# KiCad board gear85_hotswap_flex_cut.kicad_pcb (continued)
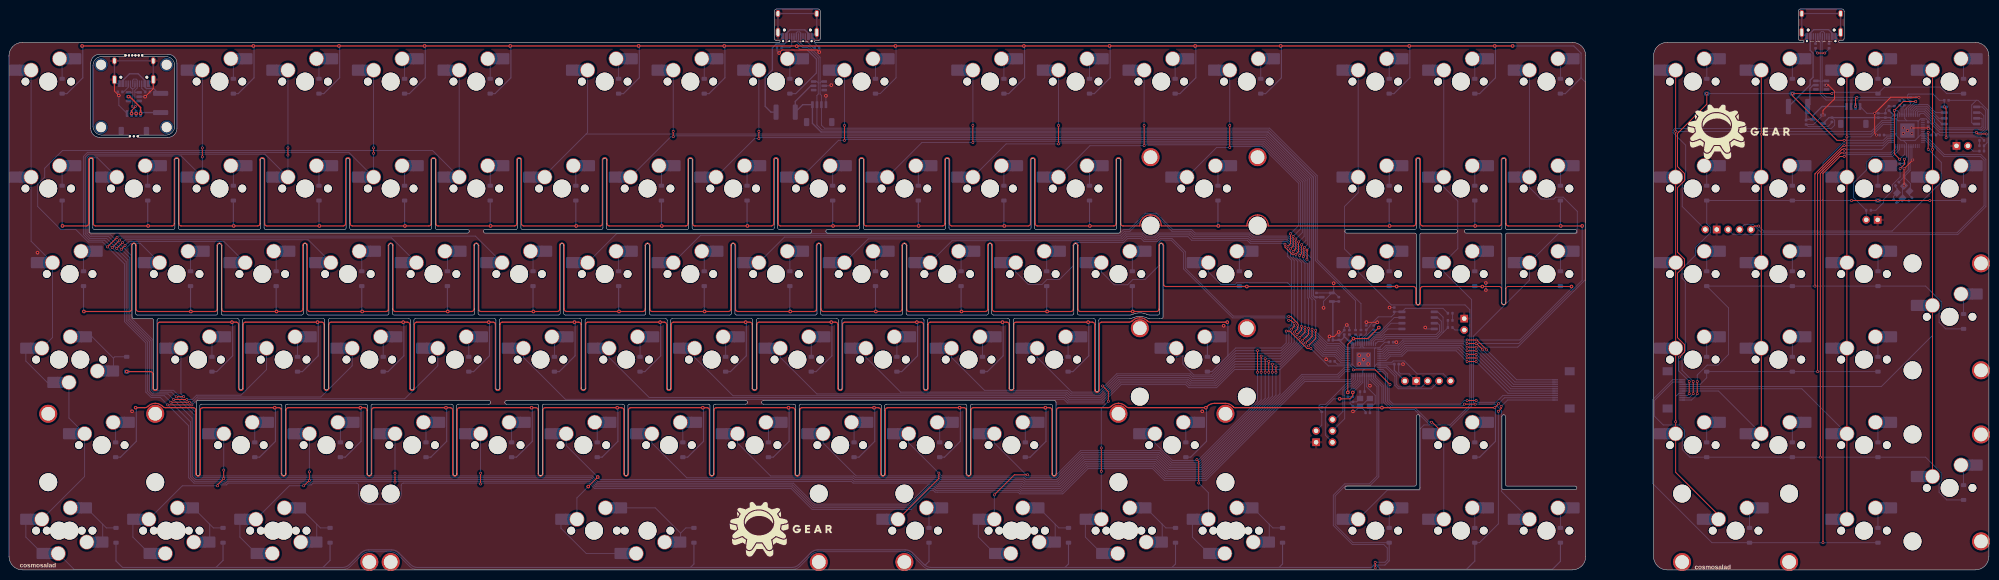
[diagram p0: board, top side]
## Routing (per net, layer and track width the routed paths; a pad name or vN(x,y) marks a point on that pad's centre or on a via; arc(x,y) is an arc through that point) (continued)
COL11: length 426.5
  Top w0.2: v2(278.61,47.62) 278.61,47.61 v2(278.61,44.02) ; v2(286.02,52.98) 286.74,53.7 v2(286.74,54.52) 286.74,54.92 285.25,56.41 v2(284.75,56.41) ; v2(233.52,98.97) v2(233.52,94.87) ; v2(219.23,16.71) 223.7,21.17 v2(226.62,21.17) ; v2(286.33,73.69) 286.32,73.68 286.32,71.5 v2(285.73,70.9)
  Bottom w0.2: v2(285.73,70.9) 285.73,69.72 286.74,68.7 286.74,54.24 292.57,48.4 295.25,48.4 296.62,47.03 U1.36 ; MX93.1 219.23,16.55 219.07,16.71 ; v2(233.52,98.97) MX11.1 ; MX45.1 224,66.38 226.84,63.54 229.83,63.54 230.95,64.66 233.72,64.66 236.83,67.77 236.83,72.53 237.22,72.91 247.98,72.91 248.88,73.81 251.86,73.81 252.53,73.13 255.47,73.13 256.14,73.81 258.77,73.81 261.73,70.85 261.73,67.19 272.41,56.52 284.65,56.52 v2(284.75,56.41) ; MX75.1 219.23,28.28 226.34,21.17 v2(226.62,21.17) 226.86,20.93 232.81,20.93 238.44,26.56 256.11,26.56 258.71,23.95 264.69,23.95 278.61,37.88 v2(278.61,44.02) ; v2(286.33,73.69) 287.78,75.14 287.78,86.42 279.13,95.07 233.72,95.07 v2(233.52,94.87) 221.87,94.87 MX28.1 ; MX83.2 215.68,7.3 MX93.1 ; v2(286.02,52.98) 285.98,52.94 285.98,50.64 282.96,47.62 272.89,47.62 267.87,42.6 263.31,42.6 262.65,43.26 246.63,43.26 242.55,39.19 236.33,39.19 235.54,39.98 217.05,39.98 209.71,47.33 MX62.1
COL12: length 300.3
  Top w0.2: v2(252.57,94.47) v2(252.57,98.97) ; v2(285.13,71.5) 285.72,72.1 285.72,74.28 v2(285.73,74.29) ; v2(243.05,21.96) v2(243.05,27.16) ; v2(244.61,37.57) 244.61,39.69 v2(243.34,40.96) ; v2(285.39,53.61) 285.95,54.18 v2(285.95,54.86) 285.25,55.56 v2(284.75,55.56)
  Bottom w0.2: U1.35 296.45,46.63 295.08,48 292.41,48 285.95,54.46 285.95,68.92 285.13,69.75 v2(285.13,71.5) ; MX29.1 240.52,94.47 v2(252.57,94.47) 252.77,94.67 278.96,94.67 287.38,86.25 287.38,75.93 v2(285.73,74.29) ; MX94.1 239.5,7.3 MX84.2 ; MX63.1 228.76,47.33 236.5,39.59 242.39,39.59 243.28,40.48 243.28,40.9 v2(243.34,40.96) 243.76,40.96 246.46,43.66 262.82,43.66 263.47,43 267.71,43 272.92,48.22 283,48.22 285.39,50.6 v2(285.39,53.61) ; v2(284.75,55.56) 284.2,56.12 272.25,56.12 261.33,67.03 261.33,70.68 258.61,73.41 256.31,73.41 255.88,72.98 255.88,67.77 252.77,64.66 250.06,64.66 248.9,63.5 245.92,63.5 243.05,66.38 MX46.1 ; MX12.1 v2(252.57,98.97) ; v2(243.05,27.16) 243.05,36 v2(244.61,37.57) ; MX94.1 v2(243.05,21.96)
COL13: length 223.4
  Top w0.2: v2(264.32,24.55) 264.72,24.15 v2(264.72,19.35) ; v2(285.14,74.85) 285.13,74.85 285.13,72.64 v2(284.56,72.06) ; v2(277.81,44.02) v2(277.81,48.82) ; v2(271.62,94.07) v2(271.62,98.97)
  Bottom w0.2: 285.35,63.1 285.35,68.96 284.53,69.78 284.53,72.03 v2(284.56,72.06) ; 285.35,63.1 285.35,54.49 ; 285.35,63.1 284.51,63.95 273.17,63.95 272.76,63.54 269.7,63.54 266.86,66.38 MX47.1 ; v2(271.62,98.97) MX13.1 ; MX95.1 263.31,7.3 MX85.2 ; v2(285.14,74.85) 286.98,76.7 286.98,86.09 278.8,94.27 271.82,94.27 v2(271.62,94.07) 268.69,94.07 MX30.1 ; v2(264.72,19.35) 266.86,17.21 MX95.1 ; MX76.1 254.95,28.28 258.88,24.35 264.12,24.35 v2(264.32,24.55) 264.72,24.55 277.81,37.64 v2(277.81,44.02) ; 285.35,54.49 284.79,53.92 284.79,50.57 283.03,48.82 272.96,48.82 267.54,43.4 263.64,43.4 261.18,45.86 261.18,47.63 260.01,47.63 259.71,47.33 MX64.1 ; 285.35,54.49 292.24,47.6 294.92,47.6 296.29,46.23 U1.34
COL14: length 159.5
  Bottom w0.2: MX14.1 MX31.1 300.2,83.98 297.16,80.94 297.16,71.46 MX48.1 300.2,66.38 307.57,59.01 323.97,59.01 325.04,57.94 325.04,36.68 320.63,32.27 314.84,32.27 314.03,31.46 314.03,18.02 313.78,17.76 306.68,17.76 MX86.1 ; U1.15 304.02,42.85 305.89,40.98 305.89,37.3 307.47,35.72 312.69,35.72 316.13,32.27
COL15: length 131.4
  Top w0.2: v2(316.51,32.87) 316.7,32.87 MX77.1
  Bottom w0.2: MX15.1 MX32.1 319.25,85.25 322.36,82.13 322.36,71.54 MX49.1 319.25,66.38 325.44,60.18 325.44,36.52 MX77.1 MX87.1 ; U1.14 305.57,44.23 306.29,43.51 306.29,37.47 307.63,36.12 312.85,36.12 316.1,32.87 v2(316.51,32.87)
COL16: length 156
  Top w0.2: v2(326.23,36.91) v2(323.85,36.91)
  Bottom w0.2: MX88.1 332.08,17.48 332.08,35.48 330.65,36.91 v2(326.23,36.91) 325.84,37.3 325.84,52.05 338.3,64.5 MX50.1 344.78,74.91 348.75,74.91 348.96,75.11 348.96,79.84 345.79,83 344.14,83 343.73,82.59 340.88,82.59 338.3,85.17 MX33.1 MX16.1 ; v2(323.85,36.91) 323.46,36.52 307.8,36.52 306.69,37.63 306.69,43.68 305.73,44.63 U1.13
COL17: length 43.8
  Top w0.2: v2(326.44,48.8) v2(324.44,48.8)
  Bottom w0.2: v2(324.44,48.8) 324.26,48.8 323.07,49.99 310.64,49.99 309.46,48.81 306.86,48.81 305.89,47.83 U1.5 ; v2(326.44,48.8) 326.49,48.8 334.45,40.83 J6.4
COL17_N: length 160.5
  Top w0.2: MX107.1 MX108.1 370.84,21.73 380.37,12.2 MX112.1
  Bottom w0.2: v2(370.85,97.64) 414.34,97.64 416.74,100.03 U7.41 ; J7.4 371.57,39.33 370.84,38.61 v2(370.84,32.97)
COL18: length 43.9
  Top w0.2: v2(326.44,48) v2(324.44,48)
  Bottom w0.2: U1.6 306.05,47.43 307.03,48.41 309.63,48.41 310.81,49.59 322.68,49.59 324.27,48 v2(324.44,48) ; v2(326.44,48) 326.49,48 334.15,40.33 J6.5
COL18_N: length 132.6
  Top w0.2: MX109.1 MX113.1
  Bottom w0.2: U7.40 416.9,99.63 414.31,97.04 389.9,97.04 v2(389.9,97.04) ; MX109.1 380.38,39.83 J7.5
COL19: length 43.9
  Top w0.2: v2(326.44,47.2) v2(324.44,47.2)
  Bottom w0.2: J6.6 333.85,39.83 326.49,47.2 v2(326.44,47.2) ; U1.7 306.22,47.03 307.19,48.01 309.79,48.01 310.97,49.19 322.4,49.19 324.39,47.2 v2(324.44,47.2)
COL19_N: length 152
  Top w0.2: MX114.1 v2(408.94,96.44) MX115.1
  Bottom w0.2: v2(408.94,96.44) 414.27,96.44 417.07,99.23 U7.39 ; MX110.1 398.93,40.33 J7.6
COL20: length 44
  Top w0.2: v2(326.44,46.4) v2(324.44,46.4)
  Bottom w0.2: v2(324.44,46.4) 324.39,46.4 322,48.79 311.14,48.79 309.96,47.61 307.36,47.61 306.38,46.63 U1.8 ; J6.7 333.51,39.33 v2(326.44,46.4)
COL20_N: length 160.8
  Top w0.2: MX111.1 v2(427.99,93.66) MX116.1
  Bottom w0.2: J7.7 416.61,40.83 427.99,52.22 MX103.1 ; v2(427.99,93.66) 427.99,94.02 426.38,95.63 U7.13
GP_SCL: length 17.2
  Bottom w0.2: J8.4 316.48,40.34 309.11,40.34 308.37,41.08 308.37,43.09 306.43,45.03 U1.12
GP_SCL_N: length 83.9
  Bottom w0.2: U7.12 426.55,96.03 430.5,92.08 438.63,92.08 439.46,91.24 439.46,81.09 433.44,75.06 389.96,75.06 388.07,76.95 386.19,76.95 J11.4
GP_SDA: length 14.5
  Bottom w0.2: J8.3 314.34,40.74 309.28,40.74 308.77,41.25 308.77,43.26 306.6,45.43 U1.11
GP_SDA_N: length 87
  Bottom w0.2: U7.11 426.71,96.43 430.67,92.48 438.79,92.48 439.87,91.4 439.87,80.92 433.6,74.66 383.65,74.66 J11.3
QSPI_SCLK: length 10.1
  Bottom w0.2: U1.52 302.42,51.36 303.55,52.48 305.07,52.48 307.51,54.93 U3.6
QSPI_SCLK_R: length 9.8
  Bottom w0.2: U7.52 423.41,102.37 424.27,103.24 426.73,103.24 429.4,100.57 U9.6
QSPI_SD0: length 9.1
  Bottom w0.2: U3.5 306.8,53.66 305.23,52.08 303.71,52.08 302.82,51.19 U1.53
QSPI_SD0_R: length 9.5
  Bottom w0.2: U9.5 430.11,99.3 426.57,102.84 424.44,102.84 423.81,102.21 U7.53
QSPI_SD1: length 20.8
  Bottom w0.2: U1.55 303.62,50.86 304.04,51.28 305.56,51.28 306.27,51.99 317.67,51.99 318.69,53.02 318.69,55.39 317.89,56.2 U3.2
QSPI_SD1_R: length 22.2
  Bottom w0.2: U7.55 424.61,101.88 424.77,102.04 426.2,102.04 428.05,100.19 428.05,99.57 429.59,98.03 438.91,98.03 439.42,98.54 439.42,101.13 438.71,101.84 U9.2
QSPI_SD2: length 19.4
  Bottom w0.2: U1.54 303.22,51.02 303.88,51.68 305.4,51.68 306.1,52.39 317.5,52.39 318.29,53.18 318.29,54.52 317.88,54.93 U3.3
QSPI_SD2_R: length 20.9
  Bottom w0.2: U9.3 438.9,100.57 439.02,100.45 439.02,98.7 438.74,98.43 429.76,98.43 428.45,99.73 428.45,100.35 426.36,102.44 424.6,102.44 424.21,102.04 U7.54
QSPI_SD3: length 11.1
  Bottom w0.2: U3.7 308.21,56.2 304.9,52.88 303.38,52.88 302.02,51.52 U1.51
QSPI_SD3_R: length 10.1
  Bottom w0.2: U7.51 423.01,102.54 424.11,103.64 426.9,103.64 428.7,101.84 U9.7
QSPI_SS: length 25.2
  Bottom w0.2: 319.09,52.85 319.09,56.28 317.91,57.47 U3.1 ; 319.09,52.85 317.83,51.59 306.43,51.59 305.73,50.88 304.63,50.88 U1.56 ; 319.09,52.85 320.16,53.92 R7.2 R6.1
QSPI_SS_R: length 30.2
  Top w0.2: v2(437.75,97.43) 438.1,97.08 v2(439.94,97.08)
  Bottom w0.2: U9.1 439.02,103.11 439.82,102.31 439.82,98.37 438.87,97.43 429.62,97.43 427.65,99.4 427.65,100.02 426.03,101.64 425.37,101.64 U7.56 ; v2(439.94,97.08) 440.13,96.89 440.13,95.14 R18.1 R19.2
RESET: length 17.9
  Bottom w0.2: U1.26 299.62,42.39 298.78,41.54 297.64,41.54 292.9,36.8 291.73,36.8 291.48,36.54 291.48,35.83 R5.1 292.1,32.23 RESET1.2
RESET_R: length 24.5
  Bottom w0.2: U7.26 420.61,93.58 419.1,92.07 414.6,92.07 413.34,90.82 413.34,89.09 410.41,86.16 410.41,82.93 R20.1 413.25,80.09 RESET2.2
ROW0: length 666.9
  Top w0.2: v2(326.44,49.6) v2(324.44,49.6)
  Top w0.25: v1(334.57,116.68) v1(330.6,116.68) v1(311.55,116.68) v1(282.97,116.68) v1(263.92,116.68) v1(244.87,116.68) v1(225.82,116.68) v1(197.25,116.68) 175.32,116.68 v1(175.27,116.63) 175.22,116.68 v1(159.15,116.68) v1(140.1,116.68) v1(111.52,116.68) v1(92.47,116.68) v1(73.42,116.68) v1(54.37,116.68) v1(16.27,116.68)
  Bottom w0.2: v2(324.44,49.6) 324.39,49.6 323.6,50.39 310.48,50.39 309.3,49.21 306.7,49.21 305.72,48.23 U1.4 ; J6.3 334.75,41.33 326.49,49.6 v2(326.44,49.6) 335.69,49.6 348.1,62 348.12,62 350.74,64.62 350.74,108.64 349.8,109.59 ; D9.1 193.84,106.06 197.37,109.6 197.37,116.56 v1(197.25,116.68)
  Bottom w0.25: D14.1 308.17,106.06 311.7,109.59 311.7,116.53 v1(311.55,116.68) ; D15.1 327.22,106.06 330.75,109.59 330.75,116.53 v1(330.6,116.68) ; D5.1 108.15,106.06 111.67,109.59 111.67,116.53 v1(111.52,116.68) ; v1(16.27,116.68) 16.42,116.53 16.42,109.59 12.9,106.06 D1.1 ; v1(140.1,116.68) 140.25,116.53 140.25,109.59 136.72,106.06 D6.1 ; v1(282.97,116.68) 283.12,116.53 283.12,109.59 279.6,106.06 D13.1 ; v1(54.37,116.68) 54.52,116.53 54.52,109.59 51,106.06 D2.1 ; v1(92.47,116.68) 92.62,116.53 92.62,109.59 89.1,106.06 D4.1 ; D12.1 260.55,106.06 264.07,109.59 264.07,116.53 v1(263.92,116.68) ; v1(73.42,116.68) 73.57,116.53 73.57,109.59 70.05,106.06 D3.1 ; D10.1 222.45,106.06 225.97,109.59 225.97,116.53 v1(225.82,116.68) ; v1(175.27,116.63) 176.02,115.89 177.52,115.89 179.64,113.77 179.64,110.65 175.05,106.06 D8.1 ; v1(244.87,116.68) 245.02,116.53 245.02,109.59 241.5,106.06 D11.1 ; D7.1 155.77,106.06 159.3,109.59 159.3,116.53 v1(159.15,116.68) ; D16.1 346.27,106.06 349.8,109.59 349.8,115.06 348.18,116.68 v1(334.57,116.68)
ROW0_N: length 161.6
  Top w0.2: v2(408.34,95.67) 406.75,95.67 396.8,105.61 v2(396.8,106.06) v2(405.61,106.06) ; v2(371.67,47.39) 372.79,48.51 372.79,50.18 371.24,51.73 371.24,66.06 372.79,67.61 372.79,69.23 371.24,70.78 371.24,85.11 372.79,86.66 372.79,88.28 371.24,89.83 371.24,97.18 377.77,103.72 v2(377.77,106.06) ; v2(373.86,39.23) v2(373.86,41.93)
  Bottom w0.2: v2(377.77,106.06) v2(396.8,106.06) ; v2(373.86,39.23) 373.46,38.83 J7.3 ; U7.32 417.79,96.43 417.03,95.67 v2(408.34,95.67) ; v2(405.61,106.06) 405.91,106.36 415.55,106.36 D115.1 417.31,107.52 429.71,107.52 431.17,106.06 D116.1 ; v2(373.86,41.93) 373.86,41.99 371.47,44.37 371.47,47.2 v2(371.67,47.39)
ROW1: length 970.1
  Top w0.2: v1(350.04,76.6) v1(345.28,76.6) ; v2(327.94,49) 326.54,50.4 v2(326.44,50.4) v2(324.44,50.4)
  Top w0.25: v1(11.91,76.6) 17.23,76.6 arc(17.59,76.74) 17.73,77.1 17.73,91.31 arc(17.88,91.66) 18.23,91.81 18.28,91.81 arc(18.63,91.66) 18.78,91.31 18.78,77.1 arc(18.92,76.74) 19.28,76.6 v1(30.96,76.6) 36.28,76.6 arc(36.64,76.74) 36.78,77.1 36.78,91.31 arc(36.93,91.66) 37.28,91.81 37.33,91.81 arc(37.68,91.66) 37.83,91.31 37.83,77.1 arc(37.97,76.74) 38.33,76.6 v1(50.01,76.6) 55.33,76.6 arc(55.69,76.74) 55.83,77.1 55.83,91.31 arc(55.98,91.66) 56.33,91.81 56.38,91.81 arc(56.73,91.66) 56.88,91.31 56.88,77.1 arc(57.02,76.74) 57.38,76.6 v1(69.06,76.6) 74.38,76.6 arc(74.74,76.74) 74.88,77.1 74.88,91.31 arc(75.03,91.66) 75.38,91.81 75.43,91.81 arc(75.78,91.66) 75.93,91.31 75.93,77.1 arc(76.07,76.74) 76.43,76.6 v1(88.11,76.6) 93.43,76.6 arc(93.79,76.74) 93.93,77.1 93.93,91.31 arc(94.08,91.66) 94.43,91.81 94.48,91.81 arc(94.83,91.66) 94.98,91.31 94.98,77.1 arc(95.12,76.74) 95.48,76.6 v1(107.16,76.6) 112.48,76.6 arc(112.84,76.74) 112.98,77.1 112.98,91.31 arc(113.13,91.66) 113.48,91.81 113.53,91.81 arc(113.88,91.66) 114.03,91.31 114.03,77.1 arc(114.17,76.74) 114.53,76.6 v1(126.21,76.6) 131.53,76.6 arc(131.89,76.74) 132.03,77.1 132.03,91.31 arc(132.18,91.66) 132.53,91.81 132.58,91.81 arc(132.93,91.66) 133.08,91.31 133.08,77.1 arc(133.22,76.74) 133.58,76.6 v1(145.26,76.6) 150.58,76.6 arc(150.94,76.74) 151.08,77.1 151.08,91.31 arc(151.23,91.66) 151.58,91.81 151.63,91.81 arc(151.98,91.66) 152.13,91.31 152.13,77.1 arc(152.27,76.74) 152.63,76.6 169.63,76.6 arc(169.99,76.74) 170.13,77.1 170.13,91.31 arc(170.28,91.66) 170.63,91.81 170.68,91.81 arc(171.03,91.66) 171.18,91.31 171.18,77.1 arc(171.32,76.74) 171.68,76.6 v1(183.36,76.6) 188.68,76.6 arc(189.04,76.74) 189.18,77.1 189.18,91.31 arc(189.33,91.66) 189.68,91.81 189.73,91.81 arc(190.08,91.66) 190.23,91.31 190.23,77.1 arc(190.37,76.74) 190.73,76.6 v1(202.41,76.6) 207.73,76.6 arc(208.09,76.74) 208.23,77.1 208.23,91.31 arc(208.38,91.66) 208.73,91.81 208.78,91.81 arc(209.13,91.66) 209.28,91.31 209.28,77.1 arc(209.42,76.74) 209.78,76.6 v1(221.46,76.6) 226.78,76.6 arc(227.14,76.74) 227.28,77.1 227.28,91.31 arc(227.43,91.66) 227.78,91.81 227.83,91.81 arc(228.18,91.66) 228.33,91.31 228.33,77.1 arc(228.47,76.74) 228.83,76.6 v1(240.51,76.6) 245.83,76.6 arc(246.19,76.74) 246.33,77.1 246.33,91.31 arc(246.48,91.66) 246.83,91.81 246.88,91.81 arc(247.23,91.66) 247.38,91.31 247.38,77.1 arc(247.52,76.74) 247.88,76.6 251.62,76.6 251.62,76.69 arc(251.79,77.57) 252.29,78.32 252.35,78.37 arc(253.09,78.87) 253.97,79.05 254.03,79.05 arc(254.91,78.87) 255.65,78.37 255.71,78.32 arc(256.21,77.57) 256.38,76.69 256.38,76.6 v1(269.08,76.6) 275.44,76.6 275.44,76.7 arc(275.62,77.58) 276.12,78.33 276.16,78.37 arc(276.9,78.87) 277.78,79.05 277.84,79.05 arc(278.72,78.87) 279.47,78.37 279.52,78.32 arc(280.02,77.57) 280.19,76.69 280.19,76.6 v1(307.18,76.6) 312.51,76.6 arc(312.86,76.74) 313.01,77.1 313.01,91.31 arc(313.16,91.66) 313.51,91.81 313.55,91.81 arc(313.91,91.66) 314.05,91.31 314.05,77.1 arc(314.2,76.74) 314.55,76.6 v1(326.23,76.6) 331.56,76.6 arc(331.91,76.74) 332.06,77.1 332.06,91.31 arc(332.21,91.66) 332.56,91.81 332.6,91.81 arc(332.96,91.66) 333.1,91.31 333.1,77.1 arc(333.25,76.74) 333.6,76.6 v1(345.28,76.6)
  Bottom w0.2: U1.3 305.55,48.63 306.53,49.61 309.13,49.61 310.31,50.79 324,50.79 324.39,50.4 v2(324.44,50.4) ; J6.2 335.1,41.83 v2(327.94,49) ; v1(350.04,76.6) 350.04,64.49 347.95,62.4 347.93,62.4 335.93,50.4 v2(326.44,50.4)
  Bottom w0.25: D17.1 11.82,76.68 v1(11.91,76.6) ; v1(164.31,76.6) 164.22,76.68 D25.1 ; v1(240.51,76.6) 240.42,76.68 D29.1 ; D18.1 30.87,76.68 v1(30.96,76.6) ; v1(183.36,76.6) 183.27,76.68 D26.1 ; D32.1 326.15,76.68 v1(326.23,76.6) ; D20.1 68.97,76.68 v1(69.06,76.6) ; D22.1 107.07,76.68 v1(107.16,76.6) ; D28.1 221.37,76.68 v1(221.46,76.6) ; v1(307.18,76.6) 307.1,76.68 D31.1 ; v1(145.26,76.6) 145.17,76.68 D24.1 ; v1(345.28,76.6) 345.2,76.68 D33.1 ; 126.21,76.2 126.12,76.28 D23.1 ; D21.1 88.02,76.28 88.11,76.2 ; D19.1 49.92,76.68 v1(50.01,76.6) ; D30.1 269,76.68 v1(269.08,76.6) ; v1(202.41,76.6) 202.32,76.68 D27.1
ROW1_N: length 133.7
  Top w0.2: v2(427.39,82.25) v2(415.85,82.25) v2(409.97,82.25) ; v2(374.75,41.93) v2(374.75,39.23)
  Bottom w0.2: v2(374.75,41.93) 372.27,44.41 372.27,48.04 372.99,48.77 372.99,64.22 372.26,64.96 372.26,67.08 375.28,70.11 375.24,70.15 375.24,71.77 378.62,75.15 378.62,76.24 377.75,77.1 D96.1 D97.1 v2(409.97,82.25) ; 403.32,82.25 403.62,82.55 403.62,90.6 408.09,95.07 416.99,95.07 417.96,96.03 U7.31 ; J7.2 373.85,38.33 v2(374.75,39.23) ; v2(427.39,82.25) D99.1
ROW2: length 876.2
  Top w0.2: v2(328.78,49) 326.59,51.2 v2(326.44,51.2) v2(324.44,51.2) ; v1(327.82,63.1) 331.57,63.1 arc(331.93,62.96) 332.07,62.6 332.07,59.53 arc(332.22,59.17) 332.57,59.03 332.58,59.03 arc(332.93,59.17) 333.08,59.53 333.08,62.6 arc(333.22,62.96) 333.58,63.1 v1(347.66,63.1)
  Top w0.25: v1(327.82,63.1) 314.55,63.1 arc(314.2,62.96) 314.05,62.6 314.05,59.5 arc(313.91,59.15) 313.55,59 313.51,59 arc(313.16,59.15) 313.01,59.5 313.01,62.6 arc(312.86,62.96) 312.51,63.1 v1(308.77,63.1) v1(275.43,63.1) 257.4,63.1 arc(257.05,63.25) 256.9,63.6 256.9,72.26 arc(256.76,72.61) 256.4,72.76 256.36,72.76 arc(256.01,72.61) 255.86,72.26 255.86,58.05 255.86,58.05 arc(255.71,57.69) 255.36,57.55 v1(250.03,57.55) 238.35,57.55 arc(238,57.69) 237.85,58.05 237.85,72.26 arc(237.71,72.61) 237.35,72.76 237.31,72.76 arc(236.96,72.61) 236.81,72.26 236.81,58.05 arc(236.66,57.69) 236.31,57.55 v1(230.98,57.55) 219.3,57.55 arc(218.95,57.69) 218.8,58.05 218.8,72.26 arc(218.66,72.61) 218.3,72.76 218.26,72.76 arc(217.91,72.61) 217.76,72.26 217.76,58.05 arc(217.61,57.69) 217.26,57.55 v1(211.93,57.55) 200.25,57.55 arc(199.9,57.69) 199.75,58.05 199.75,72.26 arc(199.61,72.61) 199.25,72.76 199.21,72.76 arc(198.86,72.61) 198.71,72.26 198.71,58.05 arc(198.56,57.69) 198.21,57.55 v1(192.88,57.55) 181.2,57.55 arc(180.85,57.69) 180.7,58.05 180.7,72.26 arc(180.56,72.61) 180.2,72.76 180.16,72.76 arc(179.81,72.61) 179.66,72.26 179.66,58.05 arc(179.51,57.69) 179.16,57.55 v1(173.83,57.55) 162.15,57.55 arc(161.8,57.69) 161.65,58.05 161.65,72.26 arc(161.51,72.61) 161.15,72.76 161.11,72.76 arc(160.76,72.61) 160.61,72.26 160.61,58.05 arc(160.46,57.69) 160.11,57.55 v1(154.78,57.55) 143.1,57.55 arc(142.75,57.69) 142.6,58.05 142.6,72.26 arc(142.46,72.61) 142.1,72.76 142.06,72.76 arc(141.71,72.61) 141.56,72.26 141.56,58.05 arc(141.41,57.69) 141.06,57.55 v1(135.73,57.55) 124.05,57.55 arc(123.7,57.69) 123.55,58.05 123.55,72.26 arc(123.41,72.61) 123.05,72.76 123.01,72.76 arc(122.66,72.61) 122.51,72.26 122.51,58.05 arc(122.36,57.69) 122.01,57.55 v1(116.68,57.55) 105,57.55 arc(104.65,57.69) 104.5,58.05 104.5,72.26 arc(104.36,72.61) 104,72.76 103.96,72.76 arc(103.61,72.61) 103.46,72.26 103.46,58.05 arc(103.31,57.69) 102.96,57.55 v1(97.63,57.55) 85.95,57.55 arc(85.6,57.69) 85.45,58.05 85.45,72.26 arc(85.31,72.61) 84.95,72.76 84.91,72.76 arc(84.56,72.61) 84.41,72.26 84.41,58.05 arc(84.26,57.69) 83.91,57.55 v1(78.58,57.55) 66.9,57.55 arc(66.55,57.69) 66.4,58.05 66.4,72.26 arc(66.26,72.61) 65.9,72.76 65.86,72.76 arc(65.51,72.61) 65.36,72.26 65.36,58.05 arc(65.21,57.69) 64.86,57.55 v1(59.53,57.55) 47.85,57.55 arc(47.5,57.69) 47.35,58.05 47.35,72.26 arc(47.21,72.61) 46.85,72.76 46.81,72.76 arc(46.46,72.61) 46.31,72.26 46.31,58.05 arc(46.16,57.69) 45.81,57.55 v1(40.48,57.55) 28.8,57.55 arc(28.45,57.69) 28.3,58.05 28.3,72.26 arc(28.16,72.61) 27.8,72.76 27.76,72.76 arc(27.41,72.61) 27.26,72.26 27.26,58.05 arc(27.11,57.69) 26.76,57.55 v1(16.67,57.55)
  Bottom w0.2: J6.1 335.45,42.33 v2(328.78,49) ; D47.1 275.33,63.2 v1(275.43,63.1) ; v2(324.44,51.2) 324.43,51.19 310.15,51.19 308.96,50.01 306.36,50.01 305.39,49.03 U1.2 ; v1(347.66,63.1) 347.66,62.7 336.16,51.2 v2(326.44,51.2) ; v1(308.77,63.1) 308.67,63.2 D48.1
  Bottom w0.25: D45.1 230.9,57.63 v1(230.98,57.55) ; D34.1 16.59,57.63 v1(16.67,57.55) ; v1(116.68,57.55) 116.6,57.63 D39.1 ; D49.1 326.25,63.1 v1(327.82,63.1) ; v1(40.48,57.55) 40.4,57.63 D35.1 ; v1(59.53,57.55) 59.45,57.63 D36.1 ; v1(173.83,57.55) 173.75,57.63 D42.1 ; D44.1 211.85,57.63 v1(211.93,57.55) ; D46.1 249.95,57.63 v1(250.03,57.55) ; D40.1 135.65,57.63 v1(135.73,57.55) ; v1(347.66,63.1) 345.3,63.1 D50.1 ; v1(78.58,57.55) 78.5,57.63 D37.1 ; D41.1 154.7,57.63 v1(154.78,57.55) ; D43.1 192.8,57.63 v1(192.88,57.55) ; D38.1 97.55,57.63 v1(97.63,57.55)
ROW2_N: length 143.9
  Top w0.2: v2(401.82,63.2) 401.82,88.18 408.11,94.47 v2(408.34,94.47) ; v2(375.64,41.93) v2(375.64,39.23)
  Bottom w0.2: D103.1 430.91,53.68 429.46,55.13 429.46,57.58 429.94,58.07 429.94,59.7 426.44,63.2 D102.1 D100.1 382.59,58.37 382.59,47.96 380.24,45.61 377.86,45.61 375.64,43.39 v2(375.64,41.93) ; v2(375.64,39.23) 375.64,39.09 374.38,37.83 J7.1 ; v2(408.34,94.47) 416.96,94.47 418.12,95.63 U7.30
ROW3: length 840.3
  Top w0.2: v2(289.67,49.32) 289.64,49.29 288.86,49.29 284.97,53.18 v2(284.19,53.18) ; v2(299.1,44.54) 304.02,44.54 v2(307.28,41.28) ; v2(326.44,37.73) 326.41,37.7 v2(324.44,37.7)
  Top w0.25: v1(271.07,55.17) 253.96,55.17 arc(253.58,55.24) 253.26,55.46 253.25,55.47 arc(252.5,55.97) 251.62,56.14 251.56,56.14 arc(250.68,55.97) 249.94,55.47 249.93,55.46 arc(249.6,55.24) 249.22,55.17 243.12,55.17 arc(242.76,55.02) 242.62,54.67 242.62,40.06 arc(242.47,39.7) 242.12,39.56 242.07,39.56 arc(241.72,39.7) 241.57,40.06 241.57,54.67 arc(241.42,55.02) 241.07,55.17 v1(240.11,55.17) 224.07,55.17 arc(223.71,55.02) 223.57,54.67 223.57,40.45 arc(223.42,40.1) 223.07,39.95 223.02,39.95 arc(222.67,40.1) 222.52,40.45 222.52,54.67 arc(222.38,55.02) 222.02,55.17 v1(221.06,55.17) 205.02,55.17 arc(204.66,55.02) 204.52,54.67 204.52,40.45 arc(204.37,40.1) 204.02,39.95 203.97,39.95 arc(203.62,40.1) 203.47,40.45 203.47,54.67 arc(203.32,55.02) 202.97,55.17 v1(202.01,55.17) 185.97,55.17 arc(185.61,55.02) 185.47,54.67 185.47,40.45 arc(185.32,40.1) 184.97,39.95 184.92,39.95 arc(184.57,40.1) 184.42,40.45 184.42,54.67 arc(184.28,55.02) 183.92,55.17 v1(182.96,55.17) 166.92,55.17 arc(166.56,55.02) 166.42,54.67 166.42,40.45 arc(166.27,40.1) 165.92,39.95 165.87,39.95 arc(165.52,40.1) 165.37,40.45 165.37,54.67 arc(165.23,55.02) 164.87,55.17 v1(163.91,55.17) 147.87,55.17 arc(147.51,55.02) 147.37,54.67 147.37,40.46 arc(147.22,40.1) 146.87,39.96 146.82,39.96 arc(146.47,40.1) 146.32,40.46 146.32,54.67 arc(146.18,55.02) 145.82,55.17 v1(144.86,55.17) 128.82,55.17 arc(128.46,55.02) 128.32,54.67 128.32,40.45 arc(128.17,40.1) 127.82,39.95 127.77,39.95 arc(127.42,40.1) 127.27,40.45 127.27,54.67 arc(127.13,55.02) 126.77,55.17 v1(125.81,55.17) 109.77,55.17 arc(109.41,55.02) 109.27,54.67 109.27,40.45 arc(109.12,40.1) 108.77,39.95 108.72,39.95 arc(108.37,40.1) 108.22,40.45 108.22,54.67 arc(108.08,55.02) 107.72,55.17 v1(106.76,55.17) 90.72,55.17 arc(90.36,55.02) 90.22,54.67 90.22,40.45 arc(90.07,40.1) 89.72,39.95 89.67,39.95 arc(89.32,40.1) 89.17,40.45 89.17,54.67 arc(89.03,55.02) 88.67,55.17 v1(87.71,55.17) 71.67,55.17 arc(71.31,55.02) 71.17,54.67 71.17,40.45 arc(71.02,40.1) 70.67,39.95 70.62,39.95 arc(70.27,40.1) 70.12,40.45 70.12,54.67 arc(69.98,55.02) 69.62,55.17 52.62,55.17 arc(52.26,55.02) 52.12,54.67 52.12,40.45 arc(51.97,40.1) 51.62,39.95 51.57,39.95 arc(51.22,40.1) 51.07,40.45 51.07,54.67 arc(50.93,55.02) 50.57,55.17 33.57,55.17 arc(33.21,55.02) 33.07,54.67 33.07,40.45 arc(32.92,40.1) 32.57,39.95 32.52,39.95 arc(32.17,40.1) 32.02,40.45 32.02,43.65 arc(31.88,44) 31.52,44.15 v1(26.19,44.15)
  Bottom w0.2: v2(324.44,37.7) 323.8,37.7 323.01,36.92 307.97,36.92 307.09,37.8 307.09,41.08 v2(307.28,41.28) ; 271.21,47.67 272.96,49.42 283.07,49.42 284.19,50.54 v2(284.19,53.18) ; J6.8 332.4,38.83 330.87,37.31 326.86,37.31 v2(326.44,37.73) ; v2(299.1,44.54) 299.1,44.85 298.51,45.43 U1.32 293.56,45.43 v2(289.67,49.32)
  Bottom w0.25: D58.1 141.49,44.15 145.01,47.67 145.01,55.02 v1(144.86,55.17) ; D56.1 103.39,44.15 106.91,47.67 106.91,55.02 v1(106.76,55.17) ; D54.1 65.29,44.15 68.81,47.67 68.81,55.02 v1(68.66,55.17) ; D63.1 236.74,44.15 240.26,47.67 240.26,55.02 v1(240.11,55.17) ; D60.1 179.59,44.15 183.11,47.67 183.11,55.02 v1(182.96,55.17) ; D64.1 267.69,44.15 271.21,47.67 271.21,55.02 v1(271.07,55.17) ; D57.1 122.44,44.15 125.96,47.67 125.96,55.02 v1(125.81,55.17) ; D55.1 84.34,44.15 87.86,47.67 87.86,55.02 v1(87.71,55.17) ; v1(163.91,55.17) 164.06,55.02 164.06,47.67 160.54,44.15 D59.1 ; v1(202.01,55.17) 202.16,55.02 202.16,47.67 198.64,44.15 D61.1 ; v1(221.06,55.17) 221.21,55.02 221.21,47.67 217.69,44.15 D62.1 ; v1(49.61,55.17) 49.76,55.02 49.76,47.67 46.24,44.15 D53.1
ROW3_N: length 109
  Top w0.2: v2(408.34,93.67) 407.87,93.67 402.42,88.22 v2(402.42,44.15)
  Bottom w0.2: D106.1 D104.1 377.75,42.79 376.3,41.33 J7.8 ; v2(408.34,93.67) 408.34,93.66 416.72,93.66 418.29,95.23 U7.29
ROW4: length 828.7
  Top w0.2: v2(331.41,37) 331.41,36.93 v2(330.6,36.12)
  Top w0.25: v1(28.18,36.12) 30.2,36.12 arc(30.58,36.19) 30.91,36.41 30.91,36.42 arc(31.66,36.92) 32.54,37.09 32.55,37.09 arc(33.43,36.92) 34.17,36.42 34.18,36.41 arc(34.51,36.19) 34.89,36.12 41.05,36.12 arc(41.4,35.97) 41.55,35.62 41.55,21.4 arc(41.69,21.05) 42.05,20.9 42.09,20.9 arc(42.44,21.05) 42.59,21.4 42.59,35.62 arc(42.74,35.97) 43.09,36.12 v1(59.13,36.12) 60.1,36.12 arc(60.45,35.97) 60.6,35.62 60.6,21.4 arc(60.74,21.05) 61.1,20.9 61.14,20.9 arc(61.49,21.05) 61.64,21.4 61.64,35.62 arc(61.79,35.97) 62.14,36.12 v1(78.18,36.12) 79.15,36.12 arc(79.5,35.97) 79.65,35.62 79.65,21.41 arc(79.79,21.05) 80.15,20.91 80.19,20.91 arc(80.54,21.05) 80.69,21.41 80.69,35.62 arc(80.84,35.97) 81.19,36.12 v1(97.23,36.12) 98.2,36.12 arc(98.55,35.97) 98.7,35.62 98.7,21.4 arc(98.84,21.05) 99.2,20.9 99.24,20.9 arc(99.59,21.05) 99.74,21.4 99.74,35.62 arc(99.89,35.97) 100.24,36.12 v1(116.28,36.12) 117.25,36.12 arc(117.6,35.97) 117.75,35.62 117.75,21.4 arc(117.89,21.05) 118.25,20.9 118.29,20.9 arc(118.64,21.05) 118.79,21.4 118.79,35.62 arc(118.94,35.97) 119.29,36.12 v1(135.33,36.12) 136.3,36.12 arc(136.65,35.97) 136.8,35.62 136.8,21.4 arc(136.94,21.05) 137.3,20.9 137.34,20.9 arc(137.69,21.05) 137.84,21.4 137.84,35.62 arc(137.99,35.97) 138.34,36.12 v1(154.38,36.12) 155.35,36.12 arc(155.7,35.97) 155.85,35.62 155.85,21.4 arc(155.99,21.05) 156.35,20.9 156.39,20.9 arc(156.74,21.05) 156.89,21.4 156.89,35.62 arc(157.04,35.97) 157.39,36.12 v1(173.43,36.12) 174.4,36.12 arc(174.75,35.97) 174.9,35.62 174.9,21.4 arc(175.04,21.05) 175.4,20.9 175.44,20.9 arc(175.79,21.05) 175.94,21.4 175.94,35.62 arc(176.09,35.97) 176.44,36.12 v1(192.48,36.12) 193.45,36.12 arc(193.8,35.97) 193.95,35.62 193.95,21.4 arc(194.09,21.05) 194.45,20.9 194.49,20.9 arc(194.84,21.05) 194.99,21.4 194.99,35.62 arc(195.14,35.97) 195.49,36.12 v1(211.53,36.12) 212.5,36.12 arc(212.85,35.97) 213,35.62 213,21.4 arc(213.14,21.05) 213.5,20.9 213.54,20.9 arc(213.89,21.05) 214.04,21.4 214.04,35.62 arc(214.19,35.97) 214.54,36.12 v1(230.58,36.12) 231.55,36.12 arc(231.9,35.97) 232.05,35.62 232.05,21.4 arc(232.19,21.05) 232.55,20.9 232.59,20.9 arc(232.94,21.05) 233.09,21.4 233.09,35.62 arc(233.24,35.97) 233.59,36.12 244.51,36.12 arc(244.89,36.19) 245.22,36.41 245.23,36.42 arc(245.97,36.92) 246.85,37.09 246.86,37.09 arc(247.74,36.92) 248.49,36.42 248.49,36.41 arc(248.82,36.19) 249.2,36.12 v1(266.3,36.12) 266.61,36.42 arc(267.35,36.92) 268.23,37.09 270.67,37.09 arc(271.55,36.92) 272.3,36.42 272.45,36.26 arc(272.62,36.15) 272.81,36.12 v2(330.6,36.12)
  Bottom w0.2: U1.16 303.62,42.68 305.49,40.82 v1(305.49,36.12) ; J6.9 332.75,38.33 v2(331.41,37)
  Bottom w0.25: v1(173.43,36.12) 173.58,35.97 173.58,28.62 170.06,25.1 D72.1 ; v1(135.33,36.12) 135.48,35.97 135.48,28.62 131.96,25.1 D70.1 ; D65.1 24.8,25.1 28.33,28.62 28.33,35.97 v1(28.18,36.12) ; v1(230.58,36.12) 230.73,35.97 230.73,28.62 227.21,25.1 D75.1 ; v1(154.38,36.12) 154.53,35.97 154.53,28.62 151.01,25.1 D71.1 ; D76.1 262.93,25.1 266.45,28.62 266.45,35.97 v1(266.3,36.12) ; D68.1 93.86,25.1 97.38,28.62 97.38,35.97 v1(97.23,36.12) ; D67.1 74.81,25.1 78.33,28.62 78.33,35.97 v1(78.18,36.12) ; v1(192.48,36.12) 192.63,35.97 192.63,28.62 189.11,25.1 D73.1 ; D69.1 112.91,25.1 116.43,28.62 116.43,35.97 v1(116.28,36.12) ; v1(59.13,36.12) 59.28,35.97 59.28,28.62 55.76,25.1 D66.1 ; D77.1 327.22,25.1 330.75,28.62 330.75,35.97 v2(330.6,36.12) ; D74.1 208.16,25.1 211.68,28.62 211.68,35.97 v1(211.53,36.12)
ROW4_N: length 177
  Top w0.2: v2(403.02,25.1) 403.02,88.25 407.64,92.87 v2(408.34,92.87)
  Bottom w0.2: J7.9 370.22,41.83 366.12,37.73 366.12,34.23 368.08,32.27 371.65,32.27 372.79,31.13 372.79,29.51 372.31,29.03 372.31,26.81 374.02,25.1 D108.1 D110.1 426.44,25.1 429.94,21.6 429.94,19.71 429.46,19.23 429.46,17.29 431.17,15.58 D111.1 ; v2(408.34,92.87) 408.35,92.87 418.71,92.87 419.81,93.98 U7.28
ROW5: length 493.3
  Top w0.2: v2(331.39,35.32) 332.01,35.94 v2(332.01,36.4)
  Bottom w0.2: v2(332.01,36.4) 333.44,37.83 J6.10 ; U1.17 303.22,42.52 304.79,40.95 304.79,20.72 302.82,18.75 297.36,18.75 295.07,16.47 295.07,10.04 299.06,6.05 D86.1 ; v2(331.39,35.32) 331.39,10.25 327.19,6.05 D87.1 ; 304.25,1.07 306.15,1.07
  Bottom w0.25: 234.95,0.53 205.25,0.53 arc(204.37,0.7) 203.63,1.2 201.03,3.8 arc(200.28,4.3) 199.4,4.47 180.01,4.47 arc(179.13,4.3) 178.39,3.8 175.79,1.2 arc(175.04,0.7) 174.16,0.53 151.61,0.53 ; 234.95,0.53 258.76,0.53 ; 234.95,0.53 235.74,1.32 D83.1 ; D84.1 259.56,1.32 258.76,0.53 ; 282.57,0.53 303.18,0.53 303.73,1.07 304.25,1.07 305.2,0.12 343.42,0.12 345.2,1.9 D88.1 ; 282.57,0.53 283.37,1.32 D85.1 ; 282.57,0.53 258.76,0.53 ; D86.1 307.1,2.03 306.15,1.07 ; D79.1 47.62,2.11 46.04,0.53 ; 151.61,0.53 90.95,0.53 arc(90.07,0.7) 89.33,1.2 86.73,3.8 arc(85.98,4.3) 85.1,4.47 80,4.47 arc(79.12,4.3) 78.37,3.8 75.77,1.2 arc(75.03,0.7) 74.15,0.53 25.27,0.53 23.81,1.98 D78.1 ; 151.61,0.53 152.4,1.32 D81.1 ; 203.82,1.02 204.7,1.9 D82.1 ; 69.85,0.53 71.44,2.11 D80.1 ; D87.1 326.15,1.96 324.31,0.12
ROW5_N: length 184.4
  Top w0.2: v2(403.62,6.05) 403.62,88.28 407.41,92.07 v2(408.34,92.07)
  Bottom w0.2: J7.10 370.15,42.33 365.71,37.9 365.71,19.25 378.92,6.05 D112.1 D114.1 ; v2(408.34,92.07) 408.39,92.07 408.8,92.47 418.87,92.47 420.21,93.81 U7.27
SW: length 17.9
  Bottom w0.2: U1.9 307.72,46.23 308.02,46.53 310.46,46.53 313.33,43.66 319.17,43.66 J8.5
SW_N: length 61.2
  Top w0.2: v2(427.02,97.43) 427.02,93.68 v2(427.04,93.66) ; v2(389.29,76.57) 388.36,76.57 J11.5
  Bottom w0.2: v2(427.02,97.43) 426.82,97.23 U7.9 ; v2(427.04,93.66) 429.94,90.76 429.94,86.39 419.01,75.46 390.41,75.46 v2(389.29,76.57)
SWCLK: length 15.6
  Bottom w0.2: U1.24 300.42,42.05 299.11,40.74 297.97,40.74 297.19,39.96 297.19,33.67 J3.2
SWD: length 13.2
  Bottom w0.2: U1.25 300.02,42.22 298.94,41.14 297.81,41.14 296.79,40.13 296.79,35.26 295.03,33.5 J3.3
USB_D+: length 179
  Bottom w0.2: 180.47,108.46 180.76,108.75 U4.1 ; 180.47,108.46 180.47,105.97 180.77,105.66 J1.2 180.77,99.03 181.44,98.37 280.49,98.37 291.08,87.78 291.08,69.06 300.82,59.32 R1.1 ; 180.47,108.46 180.47,114.16 177.91,116.71 176.75,116.71 176.17,117.29 176.17,118.19 ; J2.A6 175.17,119.59 175.39,119.81 175.94,119.81 176.17,119.59 J2.B6
USB_D+_DB: length 11.1
  Top w0.2: v4(28.18,103.21) 27.28,102.31 v1(27.28,101.63)
  Bottom w0.2: 28.01,106.44 28.01,106.79 28.53,107.32 J5.B6 28.53,109.07 28.31,109.3 27.76,109.3 27.53,109.07 J5.A6 ; 28.01,106.44 28.01,103.39 v4(28.18,103.21) ; 28.01,106.44 28.12,106.33 U5.1
USB_D+_R: length 37.8
  Top w0.2: v2(410.87,103.2) 410.87,104.94 v2(411.16,105.24)
  Bottom w0.2: J9.A6 402.97,119.59 403.25,119.86 403.7,119.86 403.97,119.59 J9.B6 403.97,117.92 403.42,117.37 403.42,108.74 ; 403.42,108.74 403.58,108.9 U6.1 ; 403.42,108.74 403.42,106.16 404.35,105.24 420.96,105.24 R14.1
USB_D-: length 179
  Bottom w0.2: 175.13,117.76 176.58,116.31 177.74,116.31 180.07,113.99 180.07,108.46 ; J2.A7 175.67,117.99 175.44,117.76 174.89,117.76 174.67,117.99 J2.B7 ; R2.1 299.62,59.95 290.68,68.89 290.68,87.62 280.33,97.97 180.88,97.97 179.77,99.08 J1.3 179.77,105.67 180.07,105.97 180.07,108.46 ; 180.07,108.46 179.77,108.75 U4.6
USB_D-_DB: length 10.3
  Bottom w0.2: 27.03,107.47 27.26,107.25 27.81,107.25 28.03,107.47 J5.A7 ; 27.03,107.47 27.56,106.95 27.56,106.44 ; 27.03,107.47 J5.B7 ; 27.56,106.44 27.44,106.33 U5.6 ; 27.56,106.44 27.56,103.39 v4(27.38,103.21) 28.28,102.31 v1(28.28,101.63)
USB_D-_R: length 35.6
  Bottom w0.2: 403.02,108.74 402.87,108.9 U6.6 ; 403.02,108.74 403.02,117.44 402.7,117.76 ; 403.02,108.74 403.02,105.91 404.3,104.64 409.97,104.64 ; 409.97,104.64 420.56,104.64 R15.1 ; 409.97,104.64 409.87,104.53 J10.3 ; J9.A7 403.47,117.99 403.25,117.76 402.7,117.76 ; 402.7,117.76 402.47,117.99 J9.B7
XIN: length 10
  Bottom w0.2: U1.20 302.02,40.82 303.99,38.86 303.99,37.12 303.32,36.46 Y1.3 ; C15.2 302.82,36.46
XIN_R: length 12.8
  Bottom w0.2: U7.20 423.01,88.92 421.88,87.79 421.88,87.23 423.07,86.04 423.07,84.52 Y2.3 422.86,83.44 C30.2
XOUT: length 3.7
  Bottom w0.2: R3.2 301.62,39.7 U1.21
XOUT_R: length 8.9
  Bottom w0.2: U7.21 422.61,89.09 421.48,87.95 421.48,87.32 R16.2
Net-(BOOT1-Pad2): length 2.8
  Bottom w0.2: R7.1 321.74,53.42 BOOT1.2
Net-(BOOT2-Pad2): length 3
  Bottom w0.2: BOOT2.2 437.03,93.27 R19.1
Net-(C16-Pad2): length 3.4
  Bottom w0.2: C16.2 299.87,37.42 Y1.1 300.61,38.17 R3.1
Net-(C31-Pad2): length 3.5
  Bottom w0.2: 419.56,85.45 420.1,84.91 Y2.1 419.33,83.19 C31.2
Net-(D1-A): length 4.7
  Bottom w0.2: D1.2 11.82,113.27 MX1.2
Net-(D2-A): length 4.7
  Bottom w0.2: D2.2 49.92,113.27 MX2.2
Net-(D3-A): length 4.7
  Bottom w0.2: D3.2 68.97,113.27 MX3.2
Net-(D4-A): length 4.7
  Bottom w0.2: D4.2 88.02,113.27 MX4.2
Net-(D5-A): length 4.7
  Bottom w0.2: MX5.2 107.07,113.27 D5.2
Net-(D6-A): length 4.7
  Bottom w0.2: 135.1,113.82 135.65,113.27 D6.2
Net-(D7-A): length 4.7
  Bottom w0.2: D7.2 154.7,113.27 MX7.2
Net-(D8-A): length 4.7
  Bottom w0.2: MX8.2 173.75,113.27 D8.2
Net-(D9-A): length 4.7
  Bottom w0.2: D9.2 192.8,113.27 MX9.2
Net-(D10-A): length 4.7
  Bottom w0.2: D10.2 221.37,113.27 MX10.2
Net-(D11-A): length 4.7
  Bottom w0.2: D11.2 240.42,113.27 MX11.2
Net-(D12-A): length 4.7
  Bottom w0.2: MX12.2 259.47,113.27 D12.2
Net-(D13-A): length 4.7
  Bottom w0.2: MX13.2 278.52,113.27 D13.2
Net-(D14-A): length 4.7
  Bottom w0.2: MX14.2 307.1,113.27 D14.2
Net-(D15-A): length 4.7
  Bottom w0.2: MX15.2 326.15,113.27 D15.2
Net-(D16-A): length 4.7
  Bottom w0.2: MX16.2 345.2,113.27 D16.2
Net-(D17-A): length 4.7
  Bottom w0.2: D17.2 11.82,89.46 MX17.2
Net-(D18-A): length 4.7
  Bottom w0.2: D18.2 30.87,89.46 MX18.2
Net-(D19-A): length 4.7
  Bottom w0.2: D19.2 49.92,89.46 MX19.2
Net-(D20-A): length 4.7
  Bottom w0.2: D20.2 68.97,89.46 MX20.2
Net-(D21-A): length 4.7
  Bottom w0.2: MX21.2 88.02,89.46 D21.2
Net-(D22-A): length 4.7
  Bottom w0.2: D22.2 107.07,89.46 MX22.2
Net-(D23-A): length 4.7
  Bottom w0.2: D23.2 126.12,89.46 MX23.2
Net-(D24-A): length 4.7
  Bottom w0.2: D24.2 145.17,89.46 MX24.2
Net-(D25-A): length 4.7
  Bottom w0.2: D25.2 164.22,89.46 MX25.2
Net-(D26-A): length 4.7
  Bottom w0.2: MX26.2 183.27,89.46 D26.2
Net-(D27-A): length 4.7
  Bottom w0.2: MX27.2 202.32,89.46 D27.2
Net-(D28-A): length 4.7
  Bottom w0.2: D28.2 221.37,89.46 MX28.2
Net-(D29-A): length 4.7
  Bottom w0.2: D29.2 240.42,89.46 MX29.2
Net-(D30-A): length 4.7
  Bottom w0.2: D30.2 269,89.46 268.45,90.01
Net-(D31-A): length 4.7
  Bottom w0.2: MX31.2 307.1,89.46 D31.2
Net-(D32-A): length 4.7
  Bottom w0.2: MX32.2 326.15,89.46 D32.2
Net-(D33-A): length 4.7
  Bottom w0.2: D33.2 345.2,89.46 MX33.2
Net-(D34-A): length 4.7
  Bottom w0.2: D34.2 16.59,70.41 MX34.2
Net-(D35-A): length 4.7
  Bottom w0.2: MX35.2 40.4,70.41 D35.2
Net-(D36-A): length 4.7
  Bottom w0.2: MX36.2 59.45,70.41 D36.2
Net-(D37-A): length 4.7
  Bottom w0.2: MX37.2 78.5,70.41 D37.2
Net-(D38-A): length 4.7
  Bottom w0.2: MX38.2 97.55,70.41 D38.2
Net-(D39-A): length 4.7
  Bottom w0.2: MX39.2 116.6,70.41 D39.2
Net-(D40-A): length 4.7
  Bottom w0.2: 135.1,70.96 135.65,70.41 D40.2
Net-(D41-A): length 4.7
  Bottom w0.2: D41.2 154.7,70.41 MX41.2
Net-(D42-A): length 4.7
  Bottom w0.2: MX42.2 173.75,70.41 D42.2
Net-(D43-A): length 4.7
  Bottom w0.2: MX43.2 192.8,70.41 D43.2
Net-(D44-A): length 4.7
  Bottom w0.2: MX44.2 211.85,70.41 D44.2
Net-(D45-A): length 4.7
  Bottom w0.2: 230.35,70.96 230.9,70.41 D45.2
Net-(D46-A): length 4.7
  Bottom w0.2: MX46.2 249.95,70.41 D46.2
Net-(D47-A): length 4.7
  Bottom w0.25: MX47.2 273.76,70.41 D47.2
Net-(D48-A): length 4.7
  Bottom w0.2: MX48.2 307.1,70.41 D48.2
Net-(D49-A): length 4.7
  Bottom w0.2: MX49.2 326.15,70.41 D49.2
Net-(D50-A): length 4.7
  Bottom w0.2: D50.2 345.2,70.41 MX50.2
Net-(D51-A): length 13.9
  Bottom w0.2: 23.23,47.15 18.48,51.91 MX51.2 ; 23.23,47.15 MX52.1 ; 23.23,47.15 23.53,47.45 D51.2
Net-(D53-A): length 4.7
  Bottom w0.2: MX53.2 45.16,51.36 D53.2
Net-(D54-A): length 4.7
  Bottom w0.2: D54.2 64.21,51.36 MX54.2
Net-(D55-A): length 4.7
  Bottom w0.2: MX55.2 83.26,51.36 D55.2
Net-(D56-A): length 4.7
  Bottom w0.2: MX56.2 102.31,51.36 D56.2
Net-(D57-A): length 4.7
  Bottom w0.2: D57.2 121.36,51.36 MX57.2
Net-(D58-A): length 4.7
  Bottom w0.2: MX58.2 140.41,51.36 D58.2
Net-(D59-A): length 4.7
  Bottom w0.2: MX59.2 159.46,51.36 D59.2
Net-(D60-A): length 4.7
  Bottom w0.2: D60.2 178.51,51.36 MX60.2
Net-(D61-A): length 4.7
  Bottom w0.2: D61.2 197.56,51.36 MX61.2
Net-(D62-A): length 4.7
  Bottom w0.2: MX62.2 216.61,51.36 D62.2
Net-(D63-A): length 4.7
  Bottom w0.2: MX63.2 235.66,51.36 D63.2
Net-(D64-A): length 4.7
  Bottom w0.25: MX64.2 266.65,51.32 D64.2
Net-(D65-A): length 4.7
  Bottom w0.2: D65.2 23.73,32.31 MX65.2
Net-(D66-A): length 4.7
  Bottom w0.2: D66.2 54.69,32.31 MX66.2
Net-(D67-A): length 4.7
  Bottom w0.2: MX67.2 73.74,32.31 D67.2
Net-(D68-A): length 4.7
  Bottom w0.2: D68.2 92.79,32.31 MX68.2
Net-(D69-A): length 4.7
  Bottom w0.2: MX69.2 111.84,32.31 D69.2
Net-(D70-A): length 4.7
  Bottom w0.2: MX70.2 130.89,32.31 D70.2
Net-(D71-A): length 4.7
  Bottom w0.2: D71.2 149.94,32.31 MX71.2
Net-(D72-A): length 4.7
  Bottom w0.2: MX72.2 168.99,32.31 D72.2
Net-(D73-A): length 4.7
  Bottom w0.2: MX73.2 188.04,32.31 D73.2
Net-(D74-A): length 4.7
  Bottom w0.2: D74.2 207.09,32.31 MX74.2
Net-(D75-A): length 4.7
  Bottom w0.2: D75.2 226.14,32.31 MX75.2
Net-(D76-A): length 4.7
  Bottom w0.2: D76.2 261.85,32.31 MX76.2
Net-(D77-A): length 4.7
  Bottom w0.2: D77.2 326.15,32.31 MX77.2
Net-(D78-A): length 12.4
  Bottom w0.2: MX89.1 20.85,10.16 ; 20.85,10.16 MX78.2 ; 20.85,10.16 21.66,9.35 D78.2
Net-(D79-A): length 12.4
  Bottom w0.2: D79.2 45.48,9.35 44.67,10.16 ; MX90.1 44.67,10.16 ; 44.67,10.16 MX79.2
Net-(D80-A): length 12.4
  Bottom w0.2: MX80.2 68.48,10.16 ; 68.48,10.16 MX91.1 ; 68.48,10.16 69.29,9.35 D80.2
Net-(D81-A): length 20.9
  Bottom w0.2: MX81.2 143.81,13.81 149.44,8.18 ; 149.44,8.18 150.61,9.35 D81.2 ; 149.44,8.18 MX92.1
Net-(D82-A): length 4.7
  Bottom w0.2: D82.2 204.7,13.26 MX82.2
Net-(D83-A): length 12.4
  Bottom w0.2: 232.78,10.16 233.59,9.35 D83.2 ; 232.78,10.16 MX93.2 ; 232.78,10.16 MX83.1
Net-(D84-A): length 12.7
  Bottom w0.2: MX94.2 256.41,10.35 ; 256.41,10.35 256.6,10.16 MX84.1 ; 256.41,10.35 257.41,9.35 D84.2
Net-(D85-A): length 12.4
  Bottom w0.2: D85.2 281.22,9.35 280.41,10.16 ; MX95.2 280.41,10.16 ; 280.41,10.16 MX85.1
Net-(D86-A): length 4.7
  Bottom w0.2: D86.2 307.1,13.26 MX86.2
Net-(D87-A): length 4.7
  Bottom w0.2: D87.2 326.15,13.26 MX87.2
Net-(D88-A): length 4.7
  Bottom w0.2: MX88.2 345.2,13.26 D88.2
Net-(D96-A): length 4.7
  Bottom w0.2: MX96.2 377.75,89.45 D96.2
Net-(D97-A): length 4.7
  Bottom w0.2: MX97.2 396.8,89.45 D97.2
Net-(D98-A): length 4.7
  Bottom w0.2: MX98.2 415.85,89.45 D98.2
Net-(D99-A): length 4.7
  Bottom w0.2: D99.2 434.91,89.44 MX99.2
Net-(D100-A): length 4.7
  Bottom w0.2: D100.2 377.75,70.4 MX100.2
Net-(D101-A): length 4.7
  Bottom w0.2: D101.2 396.8,70.4 MX101.2
Net-(D102-A): length 4.7
  Bottom w0.2: MX102.2 415.86,70.39 D102.2
Net-(D103-A): length 4.7
  Bottom w0.2: MX103.2 434.9,60.88 D103.2
Net-(D104-A): length 4.7
  Bottom w0.2: MX104.2 377.75,51.35 D104.2
Net-(D105-A): length 4.7
  Bottom w0.2: MX105.2 396.81,51.35 D105.2
Net-(D106-A): length 4.7
  Bottom w0.2: D106.2 415.85,51.35 MX106.2
Net-(D107-A): length 4.7
  Bottom w0.2: MX107.2 377.77,113.24 D107.2
Net-(D108-A): length 4.7
  Bottom w0.2: MX108.2 377.75,32.3 D108.2
Net-(D109-A): length 4.7
  Bottom w0.2: D109.2 396.8,32.3 MX109.2
Net-(D110-A): length 4.7
  Bottom w0.2: MX110.2 415.85,32.3 D110.2
Net-(D111-A): length 4.7
  Bottom w0.2: MX111.2 434.9,22.78 D111.2
Net-(D112-A): length 4.7
  Bottom w0.2: MX112.2 387.28,13.25 D112.2
Net-(D113-A): length 4.7
  Bottom w0.2: D113.2 396.8,113.27 MX113.2
Net-(D114-A): length 4.7
  Bottom w0.2: MX114.2 415.85,13.25 D114.2
Net-(D115-A): length 4.7
  Bottom w0.2: D115.2 415.85,113.26 MX115.2
Net-(D116-A): length 4.7
  Bottom w0.2: D116.2 434.9,113.26 MX116.2
Net-(J2-CC1): length 4.5
  Bottom w0.2: J2.A5 174.17,116.68 173.78,116.29 R8.1
Net-(J2-CC2): length 3
  Bottom w0.2: 177.17,118.19 177.17,118.04 178.92,116.28 R9.1
Net-(J5-CC1): length 2.5
  Bottom w0.2: R10.1 25.5,106.44 26.53,107.47 J5.A5
Net-(J5-CC2): length 2.2
  Bottom w0.2: J5.B5 29.53,107.25 R11.1
Net-(J9-CC1): length 1.6
  Bottom w0.2: R12.1 J9.A5
Net-(J9-CC2): length 1.6
  Bottom w0.2: R13.1 J9.B5
Net-(R4-Pad1): length 1.6
  Bottom w0.2: R6.2 R4.1
Net-(R17-Pad1): length 1.2
  Bottom w0.2: R18.2 R17.1
Net-(U1-USB_DM): length 2.3
  Bottom w0.2: R2.2 300.02,51.99 U1.46
Net-(U1-USB_DP): length 2.3
  Bottom w0.2: U1.47 300.42,51.99 R1.2
Net-(U7-USB_DM): length 2.3
  Bottom w0.2: U7.46 421.01,103.17 R15.2
Net-(U7-USB_DP): length 2.3
  Bottom w0.2: R14.2 421.41,103.17 U7.47

## Copper pours and planes (outline as drawn; the poured copper is in the pictures)
GND on Top: -1.75,-1.27 351.95,-1.27 351.95,127.95 -1.75,127.95
GNDA on Top: 18.65,113.9 18.65,97.23 19.05,96.84 36.51,96.84 36.91,97.23 36.91,113.9 36.51,114.3 19.05,114.3
GNDR on Top: 364.57,-1.43 442.04,-1.43 442.04,127.79 364.57,127.79

## Text on the board
B.Silkscreen: SWD | +3V3 | GND | SCL | SW | Gear80 | RESET | SWCLK | BOOT
F.Silkscreen: cosmosalad
